# Allegro board 6089-103-RevA_73.brd (continued)
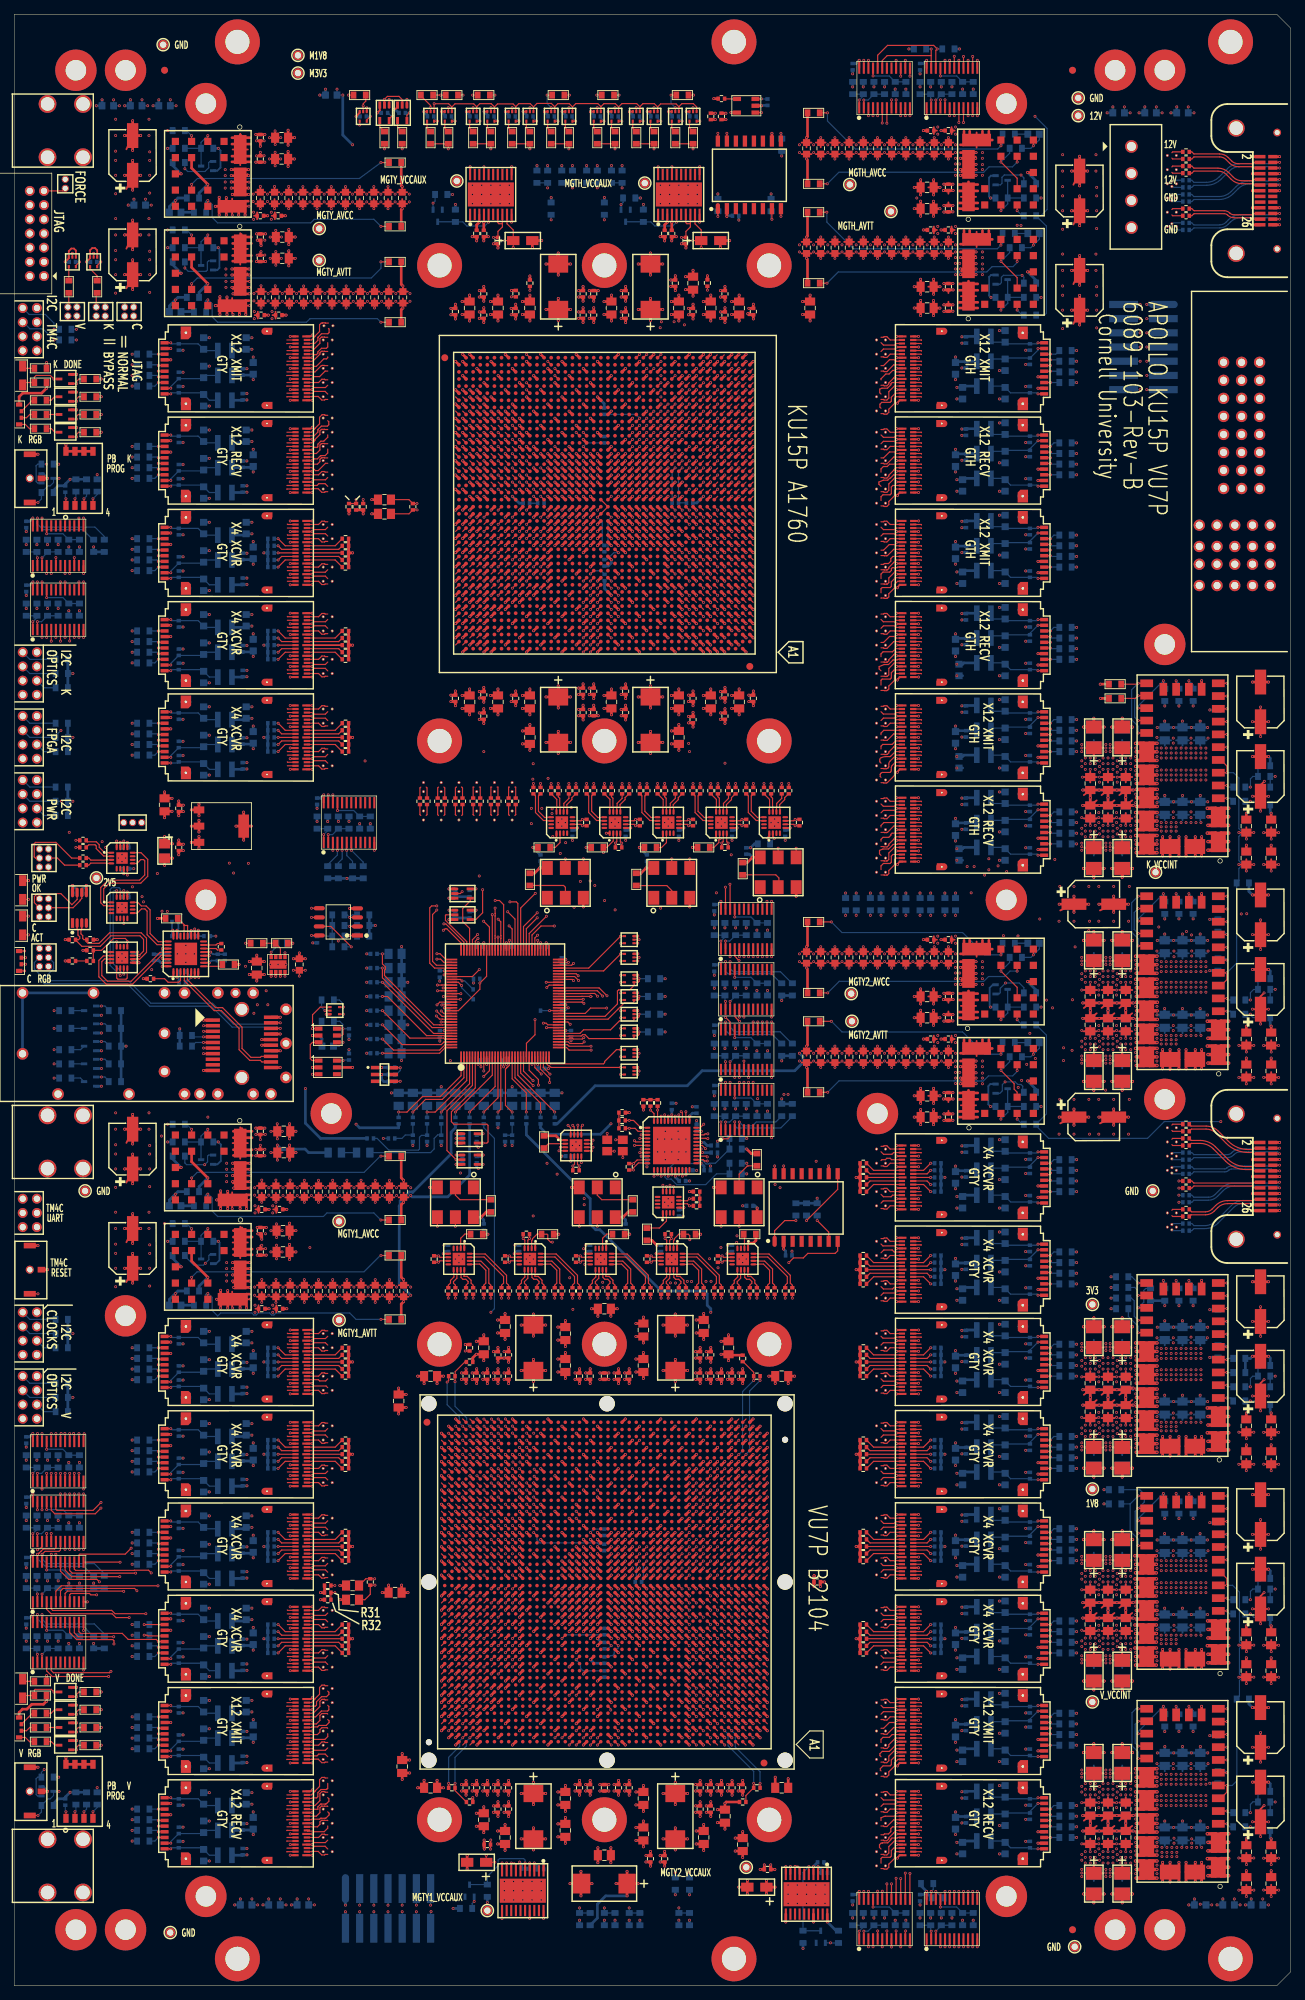
[diagram p0: board, top side]
## Routing (per net, layer and track width the routed paths; a pad name or vN(x,y) marks a point on that pad's centre or on a via; arc(x,y) is an arc through that point) (continued)
; U27.G1 23.49,66.18 ; U27.G1 24.21,67.84 ; U27.G1 23.81,65.97 ; U27.G1 24.93,66.18 ; U27.G1 23.49,67.62 ; 43.24,42.22 43.56,41.9 ; 43.56,41.9 43.18,41.9 ; 43.56,41.9 43.56,42.28 ; 43.56,41.9 43.15,42.09 ; 43.56,41.9 43.15,41.71 ; 43.56,41.9 43.24,41.58 ; 43.56,41.9 43.56,41.52 ; 43.56,41.9 43.38,41.49 ; 44.84,190.52 VA17.4 ; VA17.4 44.84,191.28 ; VA17.4 45.02,191.31 ; VA17.4 45.22,190.9 ; VA17.4 45.16,191.22 ; VA17.4 45.25,191.09 ; VA17.4 45.25,190.71 ; VA17.4 45.16,190.58 ; 141.79,65.97 U114.G2 ; U114.G2 141.25,66.9 ; U114.G2 142.19,65.96 ; U114.G2 141.47,67.62 ; U114.G2 142.91,66.18 ; U114.G2 142.91,67.62 ; U114.G2 141.47,66.18 ; U114.G2 142.19,67.84 ; P1.P2-3 175.31,203.54 ; P1.P2-3 174.57,201.82 ; P1.P2-3 173.83,202.06 ; P1.P2-3 173.59,202.8 ; P1.P2-3 175.31,202.06 ; P1.P2-3 173.83,203.54 ; P1.P2-3 174.57,203.78 ; P1.P2-3 175.55,202.8 ; VA100.3 123.22,156.9 ; VA100.3 122.83,157.28 ; VA100.3 123.25,156.71 ; VA100.3 123.16,156.58 ; VA100.3 123.16,157.22 ; VA100.3 122.83,156.52 ; VA100.3 123.25,157.09 ; VA100.3 123.02,157.31 ; 38.31,131.78 U13.24 ; U13.24 37.55,132.03 ; U13.24 37.55,133.55 ; U13.24 37.31,132.79 ; U13.24 39.07,133.55 ; U13.24 39.07,132.03 ; U13.24 39.32,132.79 ; U13.24 38.31,133.79 ; 122.83,111.52 VA103.3 ; VA103.3 123.25,111.71 ; VA103.3 123.16,111.58 ; VA103.3 123.16,112.22 ; VA103.3 123.02,112.31 ; VA103.3 123.25,112.09 ; VA103.3 122.83,112.28 ; VA103.3 123.22,111.9 ; 67.32,165.53 VA62.4 ; VA62.4 67.38,165.86 ; VA62.4 67.89,165.95 ; VA62.4 68.11,165.72 ; VA62.4 68.02,165.86 ; VA62.4 67.29,165.72 ; VA62.4 68.08,165.53 ; VA62.4 67.7,165.92 ; 162.24,250.22 VA141.4 ; VA141.4 162.56,249.52 ; VA141.4 162.15,249.71 ; VA141.4 162.15,250.09 ; VA141.4 162.24,249.58 ; VA141.4 162.38,249.49 ; VA141.4 162.56,250.28 ; VA141.4 162.18,249.9 ; VA11.4 44.84,211.28 ; VA11.4 45.25,210.71 ; VA11.4 45.25,211.09 ; VA11.4 44.84,210.52 ; VA11.4 45.02,211.31 ; VA11.4 45.16,211.22 ; VA11.4 45.16,210.58 ; VA11.4 45.22,210.9 ; 121.15,175.71 VA91.4 ; VA91.4 121.56,176.28 ; VA91.4 121.24,175.58 ; VA91.4 121.18,175.9 ; VA91.4 121.24,176.22 ; VA91.4 121.15,176.09 ; VA91.4 121.38,175.49 ; VA91.4 121.56,175.52 ; J2.7 2.07,230.78 ; J2.7 1.2,231.28 ; J2.7 1.87,231.07 ; J2.7 1.2,229.52 ; J2.7 1.58,231.27 ; J2.7 2.08,230.4 ; J2.7 1.87,229.73 ; J2.7 2.07,230.02 ; U20.G1 25.15,232.9 ; U20.G1 23.81,231.97 ; U20.G1 23.49,233.62 ; U20.G1 24.93,233.62 ; U20.G1 23.49,232.18 ; U20.G1 24.93,232.18 ; U20.G1 24.21,231.96 ; U20.G1 24.21,233.84 ; VA4.4 45.16,225.58 ; VA4.4 45.02,226.31 ; VA4.4 45.16,226.22 ; VA4.4 45.25,225.71 ; VA4.4 44.84,226.28 ; VA4.4 45.22,225.9 ; VA4.4 44.84,225.52 ; VA4.4 45.25,226.09 ; 121.18,179.9 VA89.4 ; VA89.4 121.38,179.49 ; VA89.4 121.15,179.71 ; VA89.4 121.15,180.09 ; VA89.4 121.24,180.22 ; VA89.4 121.56,180.28 ; VA89.4 121.24,179.58 ; VA89.4 121.56,179.52 ; VA111.3 123.02,86.31 ; VA111.3 123.25,85.71 ; VA111.3 122.83,85.52 ; VA111.3 122.83,86.28 ; VA111.3 123.25,86.09 ; VA111.3 123.16,86.22 ; VA111.3 123.16,85.58 ; VA111.3 123.22,85.9 ; VA75.4 121.56,211.28 ; VA75.4 121.56,210.52 ; VA75.4 121.24,211.22 ; VA75.4 121.15,210.71 ; VA75.4 121.24,210.58 ; VA75.4 121.18,210.9 ; VA75.4 121.38,210.49 ; VA75.4 121.15,211.09 ; 163.84,253.9 164.25,254.09 ; 163.84,253.9 164.25,253.71 ; 163.84,253.9 164.16,253.58 ; 163.84,253.9 163.84,253.52 ; 163.84,253.9 164.02,254.31 ; 163.84,253.9 164.16,254.22 ; 163.84,253.9 163.84,254.28 ; 163.84,253.9 164.22,253.9 ; VA79.3 123.25,201.71 ; VA79.3 123.16,201.58 ; VA79.3 122.83,202.28 ; VA79.3 123.02,202.31 ; VA79.3 123.16,202.22 ; VA79.3 123.22,201.9 ; VA79.3 122.83,201.52 ; VA79.3 123.25,202.09 ; VA75.3 123.02,211.31 ; VA75.3 122.83,211.28 ; VA75.3 122.83,210.52 ; VA75.3 123.16,211.22 ; VA75.3 123.22,210.9 ; VA75.3 123.25,211.09 ; VA75.3 123.25,210.71 ; VA75.3 123.16,210.58 ; 163.84,255.9 164.02,256.31 ; 163.84,255.9 164.22,255.9 ; 163.84,255.9 163.84,256.28 ; 163.84,255.9 163.84,255.52 ; 163.84,255.9 164.25,256.09 ; 163.84,255.9 164.25,255.71 ; 163.84,255.9 164.16,255.58 ; 163.84,255.9 164.16,256.22 ; 43.15,21.09 43.56,20.9 ; 43.56,20.9 43.38,20.49 ; 43.56,20.9 43.24,20.58 ; 43.56,20.9 43.56,20.52 ; 43.56,20.9 43.24,21.22 ; 43.56,20.9 43.56,21.28 ; 43.56,20.9 43.15,20.71 ; 43.56,20.9 43.18,20.9 ; 44.84,50.52 VA37.4 ; VA37.4 45.25,50.71 ; VA37.4 45.16,50.58 ; VA37.4 45.16,51.22 ; VA37.4 44.84,51.28 ; VA37.4 45.02,51.31 ; VA37.4 45.25,51.09 ; VA37.4 45.22,50.9 ; VA109.4 123.02,92.31 ; VA109.4 122.83,92.28 ; VA109.4 123.25,91.71 ; VA109.4 122.83,91.52 ; VA109.4 123.22,91.9 ; VA109.4 123.16,91.58 ; VA109.4 123.25,92.09 ; VA109.4 123.16,92.22 ; 43.15,28.71 43.56,28.9 ; 43.56,28.9 43.18,28.9 ; 43.56,28.9 43.24,28.58 ; 43.56,28.9 43.24,29.22 ; 43.56,28.9 43.56,28.52 ; 43.56,28.9 43.15,29.09 ; 43.56,28.9 43.56,29.28 ; 43.56,28.9 43.38,28.49 ; VA3.4 45.22,227.9 ; VA3.4 45.16,227.58 ; VA3.4 44.84,227.52 ; VA3.4 44.84,228.28 ; VA3.4 45.02,228.31 ; VA3.4 45.25,228.09 ; VA3.4 45.25,227.71 ; VA3.4 45.16,228.22 ; 176.33,202.06 P1.P2-1 ; P1.P2-1 177.07,201.82 ; P1.P2-1 178.05,202.8 ; P1.P2-1 177.81,202.06 ; P1.P2-1 176.09,202.8 ; P1.P2-1 177.07,203.78 ; P1.P2-1 176.33,203.54 ; P1.P2-1 177.81,203.54 ; VA135.3 122.83,19.28 ; VA135.3 123.02,19.31 ; VA135.3 123.25,19.09 ; VA135.3 123.22,18.9 ; VA135.3 123.16,18.58 ; VA135.3 122.83,18.52 ; VA135.3 123.25,18.71 ; VA135.3 123.16,19.22 ; 121.15,98.71 VA107.4 ; VA107.4 121.38,98.49 ; VA107.4 121.56,99.28 ; VA107.4 121.24,99.22 ; VA107.4 121.18,98.9 ; VA107.4 121.15,99.09 ; VA107.4 121.56,98.52 ; VA107.4 121.24,98.58 ; 121.15,209.09 VA76.4 ; VA76.4 121.24,209.22 ; VA76.4 121.15,208.71 ; VA76.4 121.18,208.9 ; VA76.4 121.56,208.52 ; VA76.4 121.24,208.58 ; VA76.4 121.38,208.49 ; VA76.4 121.56,209.28 ; 43.56,44.52 43.56,44.9 ; 43.56,44.9 43.56,45.28 ; 43.56,44.9 43.38,44.49 ; 43.56,44.9 43.15,44.71 ; 43.56,44.9 43.15,45.09 ; 43.56,44.9 43.18,44.9 ; 43.56,44.9 43.24,44.58 ; 43.56,44.9 43.24,45.22 ; 35.33,125.65 U13.26 ; U13.26 36.87,126.32 ; U13.26 37.08,125.65 ; U13.26 35.53,126.32 ; U13.26 36.2,124.77 ; U13.26 35.53,124.98 ; U13.26 36.2,126.53 ; U13.26 36.87,124.98 ; 121.24,71.22 VA116.4 ; VA116.4 121.56,70.52 ; VA116.4 121.38,70.49 ; VA116.4 121.15,71.09 ; VA116.4 121.56,71.28 ; VA116.4 121.15,70.71 ; VA116.4 121.24,70.58 ; VA116.4 121.18,70.9 ; 43.38,227.49 43.56,227.9 ; 43.56,227.9 43.56,227.52 ; 43.56,227.9 43.24,228.22 ; 43.56,227.9 43.15,227.71 ; 43.56,227.9 43.24,227.58 ; 43.56,227.9 43.18,227.9 ; 43.56,227.9 43.15,228.09 ; 43.56,227.9 43.56,228.28 ; VA147.4 162.56,109.28 ; VA147.4 162.24,109.22 ; VA147.4 162.56,108.52 ; VA147.4 162.24,108.58 ; VA147.4 162.38,108.49 ; VA147.4 162.15,108.71 ; VA147.4 162.15,109.09 ; VA147.4 162.18,108.9 ; VA133.3 123.25,23.09 ; VA133.3 122.83,23.28 ; VA133.3 123.02,23.31 ; VA133.3 123.22,22.9 ; VA133.3 123.25,22.71 ; VA133.3 123.16,23.22 ; VA133.3 122.83,22.52 ; VA133.3 123.16,22.58 ; VA116.3 123.16,70.58 ; VA116.3 123.25,70.71 ; VA116.3 123.22,70.9 ; VA116.3 122.83,71.28 ; VA116.3 123.25,71.09 ; VA116.3 122.83,70.52 ; VA116.3 123.16,71.22 ; VA116.3 123.02,71.31 ; 43.56,212.9 43.56,213.28 ; 43.56,212.9 43.56,212.52 ; 43.56,212.9 43.15,212.71 ; 43.56,212.9 43.24,212.58 ; 43.56,212.9 43.38,212.49 ; 43.56,212.9 43.18,212.9 ; 43.56,212.9 43.15,213.09 ; 43.56,212.9 43.24,213.22 ; U114.G1 142.91,57.62 ; U114.G1 141.47,57.62 ; U114.G1 141.25,56.9 ; U114.G1 142.19,57.84 ; U114.G1 141.79,55.97 ; U114.G1 142.91,56.18 ; U114.G1 141.47,56.18 ; U114.G1 142.19,55.96 ; 121.24,186.58 VA86.4 ; VA86.4 121.38,186.49 ; VA86.4 121.15,186.71 ; VA86.4 121.56,187.28 ; VA86.4 121.15,187.09 ; VA86.4 121.24,187.22 ; VA86.4 121.18,186.9 ; VA86.4 121.56,186.52 ; VA89.3 123.25,180.09 ; VA89.3 123.22,179.9 ; VA89.3 122.83,179.52 ; VA89.3 122.83,180.28 ; VA89.3 123.16,180.22 ; VA89.3 123.25,179.71 ; VA89.3 123.16,179.58 ; VA89.3 123.02,180.31 ; 162.15,252.09 VA140.4 ; VA140.4 162.56,252.28 ; VA140.4 162.24,252.22 ; VA140.4 162.24,251.58 ; VA140.4 162.38,251.49 ; VA140.4 162.18,251.9 ; VA140.4 162.15,251.71 ; VA140.4 162.56,251.52 ; 44.84,216.52 VA8.4 ; VA8.4 45.25,217.09 ; VA8.4 45.16,216.58 ; VA8.4 45.25,216.71 ; VA8.4 45.16,217.22 ; VA8.4 45.02,217.31 ; VA8.4 45.22,216.9 ; VA8.4 44.84,217.28 ; VA44.4 45.22,33.9 ; VA44.4 44.84,34.28 ; VA44.4 45.25,34.09 ; VA44.4 45.25,33.71 ; VA44.4 45.16,33.58 ; VA44.4 45.02,34.31 ; VA44.4 44.84,33.52 ; VA44.4 45.16,34.22 ; VA35.3 44.84,58.28 ; VA35.3 45.16,58.22 ; VA35.3 45.02,58.31 ; VA35.3 45.16,57.58 ; VA35.3 45.22,57.9 ; VA35.3 44.84,57.52 ; VA35.3 45.25,58.09 ; VA35.3 45.25,57.71 ; VA108.3 123.25,97.09 ; VA108.3 123.22,96.9 ; VA108.3 122.83,97.28 ; VA108.3 123.16,97.22 ; VA108.3 123.25,96.71 ; VA108.3 122.83,96.52 ; VA108.3 123.16,96.58 ; VA108.3 123.02,97.31 ; VA38.3 45.16,46.58 ; VA38.3 44.84,47.28 ; VA38.3 45.22,46.9 ; VA38.3 44.84,46.52 ; VA38.3 45.25,46.71 ; VA38.3 45.25,47.09 ; VA38.3 45.02,47.31 ; VA38.3 45.16,47.22 ; VA134.3 123.25,20.71 ; VA134.3 122.83,20.52 ; VA134.3 123.22,20.9 ; VA134.3 123.16,21.22 ; VA134.3 123.25,21.09 ; VA134.3 122.83,21.28 ; VA134.3 123.16,20.58 ; VA134.3 123.02,21.31 ; 121.15,117.71 VA101.3 ; VA101.3 121.24,118.22 ; VA101.3 121.24,117.58 ; VA101.3 121.56,117.52 ; VA101.3 121.38,117.49 ; VA101.3 121.18,117.9 ; VA101.3 121.56,118.28 ; VA101.3 121.15,118.09 ; 121.15,25.09 VA132.4 ; VA132.4 121.56,25.28 ; VA132.4 121.56,24.52 ; VA132.4 121.18,24.9 ; VA132.4 121.24,24.58 ; VA132.4 121.38,24.49 ; VA132.4 121.15,24.71 ; VA132.4 121.24,25.22 ; 20.33,274.17 PM21.1 ; PM21.1 21.67,274.17 ; PM21.1 20.12,273.5 ; PM21.1 21.88,273.5 ; PM21.1 21,274.38 ; PM21.1 21,272.62 ; PM21.1 20.33,272.83 ; PM21.1 21.67,272.83 ; 43.56,72.9 43.56,73.28 ; 43.56,72.9 43.15,72.71 ; 43.56,72.9 43.24,72.58 ; 43.56,72.9 43.38,72.49 ; 43.56,72.9 43.24,73.22 ; 43.56,72.9 43.56,72.52 ; 43.56,72.9 43.15,73.09 ; 43.56,72.9 43.18,72.9 ; 121.24,162.58 VA97.4 ; VA97.4 121.18,162.9 ; VA97.4 121.24,163.22 ; VA97.4 121.56,162.52 ; VA97.4 121.15,162.71 ; VA97.4 121.15,163.09 ; VA97.4 121.56,163.28 ; VA97.4 121.38,162.49 ; 141.25,105.9 U111.G2 ; U111.G2 141.47,105.18 ; U111.G2 141.47,106.62 ; U111.G2 142.91,105.18 ; U111.G2 142.91,106.62 ; U111.G2 142.19,104.96 ; U111.G2 141.79,104.97 ; U111.G2 142.19,106.84 ; J5.7 1.58,164.77 ; J5.7 2.08,163.9 ; J5.7 1.2,164.78 ; J5.7 1.87,164.57 ; J5.7 1.2,163.02 ; J5.7 2.07,163.52 ; J5.7 1.87,163.23 ; J5.7 2.07,164.28 ; 121.24,216.58 VA72.4 ; VA72.4 121.56,217.28 ; VA72.4 121.15,217.09 ; VA72.4 121.15,216.71 ; VA72.4 121.38,216.49 ; VA72.4 121.24,217.22 ; VA72.4 121.56,216.52 ; VA72.4 121.18,216.9 ; 121.56,227.52 VA67.4 ; VA67.4 121.24,228.22 ; VA67.4 121.56,228.28 ; VA67.4 121.24,227.58 ; VA67.4 121.18,227.9 ; VA67.4 121.15,227.71 ; VA67.4 121.38,227.49 ; VA67.4 121.15,228.09 ; 23.81,39.97 U29.G1 ; U29.G1 24.93,41.62 ; U29.G1 24.93,40.18 ; U29.G1 24.21,41.84 ; U29.G1 23.49,40.18 ; U29.G1 24.21,39.96 ; U29.G1 25.15,40.9 ; U29.G1 23.49,41.62 ; VA15.3 45.25,197.71 ; VA15.3 45.16,198.22 ; VA15.3 45.02,198.31 ; VA15.3 45.25,198.09 ; VA15.3 44.84,197.52 ; VA15.3 44.84,198.28 ; VA15.3 45.22,197.9 ; VA15.3 45.16,197.58 ; 122.83,46.52 VA123.3 ; VA123.3 123.16,47.22 ; VA123.3 123.16,46.58 ; VA123.3 123.22,46.9 ; VA123.3 123.25,46.71 ; VA123.3 123.02,47.31 ; VA123.3 122.83,47.28 ; VA123.3 123.25,47.09 ; VA126.3 123.16,38.22 ; VA126.3 122.83,38.28 ; VA126.3 123.02,38.31 ; VA126.3 123.25,37.71 ; VA126.3 123.22,37.9 ; VA126.3 123.16,37.58 ; VA126.3 122.83,37.52 ; VA126.3 123.25,38.09 ; VA39.3 45.16,45.22 ; VA39.3 44.84,45.28 ; VA39.3 45.16,44.58 ; VA39.3 45.25,45.09 ; VA39.3 44.84,44.52 ; VA39.3 45.22,44.9 ; VA39.3 45.25,44.71 ; VA39.3 45.02,45.31 ; VA90.3 123.22,177.9 ; VA90.3 123.16,177.58 ; VA90.3 123.25,178.09 ; VA90.3 123.02,178.31 ; VA90.3 122.83,178.28 ; VA90.3 123.16,178.22 ; VA90.3 123.25,177.71 ; VA90.3 122.83,177.52 ; 23.49,92.18 U25.G1 ; U25.G1 24.93,92.18 ; U25.G1 25.15,92.9 ; U25.G1 24.21,91.96 ; U25.G1 24.21,93.84 ; U25.G1 23.49,93.62 ; U25.G1 23.81,91.97 ; U25.G1 24.93,93.62 ; PM23.1 149.5,6.38 ; PM23.1 148.83,4.83 ; PM23.1 150.38,5.5 ; PM23.1 148.62,5.5 ; PM23.1 148.83,6.17 ; PM23.1 150.17,4.83 ; PM23.1 149.5,4.62 ; PM23.1 150.17,6.17 ; 121.15,232.09 VA65.4 ; VA65.4 121.24,231.58 ; VA65.4 121.18,231.9 ; VA65.4 121.15,231.71 ; VA65.4 121.56,232.28 ; VA65.4 121.56,231.52 ; VA65.4 121.38,231.49 ; VA65.4 121.24,232.22 ; VA27.3 45.25,84.09 ; VA27.3 45.02,84.31 ; VA27.3 45.16,84.22 ; VA27.3 45.16,83.58 ; VA27.3 45.25,83.71 ; VA27.3 44.84,84.28 ; VA27.3 45.22,83.9 ; VA27.3 44.84,83.52 ; 172.05,226.21 P1.15 ; P1.15 173.03,225.23 ; P1.15 173.77,226.95 ; P1.15 174.01,226.21 ; P1.15 173.03,227.19 ; P1.15 172.29,226.95 ; P1.15 172.29,225.47 ; P1.15 173.77,225.47 ; VA12.4 44.84,206.28 ; VA12.4 44.84,205.52 ; VA12.4 45.25,205.71 ; VA12.4 45.25,206.09 ; VA12.4 45.16,205.58 ; VA12.4 45.16,206.22 ; VA12.4 45.02,206.31 ; VA12.4 45.22,205.9 ; VA126.4 121.56,38.28 ; VA126.4 121.38,37.49 ; VA126.4 121.15,37.71 ; VA126.4 121.18,37.9 ; VA126.4 121.56,37.52 ; VA126.4 121.15,38.09 ; VA126.4 121.24,37.58 ; VA126.4 121.24,38.22 ; 121.56,197.52 VA81.4 ; VA81.4 121.24,197.58 ; VA81.4 121.15,197.71 ; VA81.4 121.24,198.22 ; VA81.4 121.15,198.09 ; VA81.4 121.56,198.28 ; VA81.4 121.18,197.9 ; VA81.4 121.38,197.49 ; 23.81,221.97 U20.G2 ; U20.G2 23.49,223.62 ; U20.G2 24.93,222.18 ; U20.G2 25.15,222.9 ; U20.G2 24.21,223.84 ; U20.G2 24.21,221.96 ; U20.G2 24.93,223.62 ; U20.G2 23.49,222.18 ; 121.56,26.52 VA131.4 ; VA131.4 121.56,27.28 ; VA131.4 121.38,26.49 ; VA131.4 121.24,26.58 ; VA131.4 121.15,26.71 ; VA131.4 121.15,27.09 ; VA131.4 121.18,26.9 ; VA131.4 121.24,27.22 ; 121.15,166.71 VA95.4 ; VA95.4 121.38,166.49 ; VA95.4 121.56,167.28 ; VA95.4 121.24,167.22 ; VA95.4 121.24,166.58 ; VA95.4 121.56,166.52 ; VA95.4 121.18,166.9 ; VA95.4 121.15,167.09 ; VA122.4 123.16,51.22 ; VA122.4 123.22,50.9 ; VA122.4 122.83,51.28 ; VA122.4 123.25,51.09 ; VA122.4 123.02,51.31 ; VA122.4 122.83,50.52 ; VA122.4 123.25,50.71 ; VA122.4 123.16,50.58 ; VA110.4 123.25,90.09 ; VA110.4 123.22,89.9 ; VA110.4 123.16,89.58 ; VA110.4 122.83,89.52 ; VA110.4 123.16,90.22 ; VA110.4 123.25,89.71 ; VA110.4 123.02,90.31 ; VA110.4 122.83,90.28 ; U29.G2 25.15,30.9 ; U29.G2 23.49,30.18 ; U29.G2 24.93,30.18 ; U29.G2 23.49,31.62 ; U29.G2 24.21,31.84 ; U29.G2 24.21,29.96 ; U29.G2 24.93,31.62 ; U29.G2 23.81,29.97 ; 43.15,177.71 43.56,177.9 ; 43.56,177.9 43.18,177.9 ; 43.56,177.9 43.56,177.52 ; 43.56,177.9 43.24,178.22 ; 43.56,177.9 43.38,177.49 ; 43.56,177.9 43.56,178.28 ; 43.56,177.9 43.24,177.58 ; 43.56,177.9 43.15,178.09 ; 122.83,102.52 VA106.4 ; VA106.4 123.25,103.09 ; VA106.4 123.22,102.9 ; VA106.4 123.02,103.31 ; VA106.4 123.16,103.22 ; VA106.4 123.16,102.58 ; VA106.4 122.83,103.28 ; VA106.4 123.25,102.71 ; 121.15,183.09 VA88.4 ; VA88.4 121.38,182.49 ; VA88.4 121.24,182.58 ; VA88.4 121.56,183.28 ; VA88.4 121.18,182.9 ; VA88.4 121.24,183.22 ; VA88.4 121.15,182.71 ; VA88.4 121.56,182.52 ; 43.15,33.71 43.56,33.9 ; 43.56,33.9 43.15,34.09 ; 43.56,33.9 43.24,34.22 ; 43.56,33.9 43.56,34.28 ; 43.56,33.9 43.18,33.9 ; 43.56,33.9 43.24,33.58 ; 43.56,33.9 43.56,33.52 ; 43.56,33.9 43.38,33.49 ; 43.56,65.9 43.56,66.28 ; 43.56,65.9 43.15,65.71 ; 43.56,65.9 43.56,65.52 ; 43.56,65.9 43.24,66.22 ; 43.56,65.9 43.38,65.49 ; 43.56,65.9 43.18,65.9 ; 43.56,65.9 43.24,65.58 ; 43.56,65.9 43.15,66.09 ; 43.56,199.9 43.56,200.28 ; 43.56,199.9 43.24,200.22 ; 43.56,199.9 43.18,199.9 ; 43.56,199.9 43.15,200.09 ; 43.56,199.9 43.56,199.52 ; 43.56,199.9 43.38,199.49 ; 43.56,199.9 43.24,199.58 ; 43.56,199.9 43.15,199.71 ; 121.15,64.09 VA118.3 ; VA118.3 121.56,64.28 ; VA118.3 121.18,63.9 ; VA118.3 121.56,63.52 ; VA118.3 121.38,63.49 ; VA118.3 121.24,63.58 ; VA118.3 121.15,63.71 ; VA118.3 121.24,64.22 ; 121.24,76.58 VA114.3 ; VA114.3 121.18,76.9 ; VA114.3 121.38,76.49 ; VA114.3 121.56,76.52 ; VA114.3 121.15,76.71 ; VA114.3 121.24,77.22 ; VA114.3 121.15,77.09 ; VA114.3 121.56,77.28 ; VA135.4 121.56,19.28 ; VA135.4 121.18,18.9 ; VA135.4 121.24,19.22 ; VA135.4 121.24,18.58 ; VA135.4 121.15,18.71 ; VA135.4 121.38,18.49 ; VA135.4 121.56,18.52 ; VA135.4 121.15,19.09